# Altium PCB ble_lock_2020-10-10.PcbDoc (part 3 of 5)
Units mm, origin at the board's own origin, x right, y up, seen from the top; angles counter-clockwise.
Board outline 58 x 27 mm, 2 copper layers (Top Layer, Bottom Layer); 590 components, 46 nets, 1844 pads, 2190 vias.
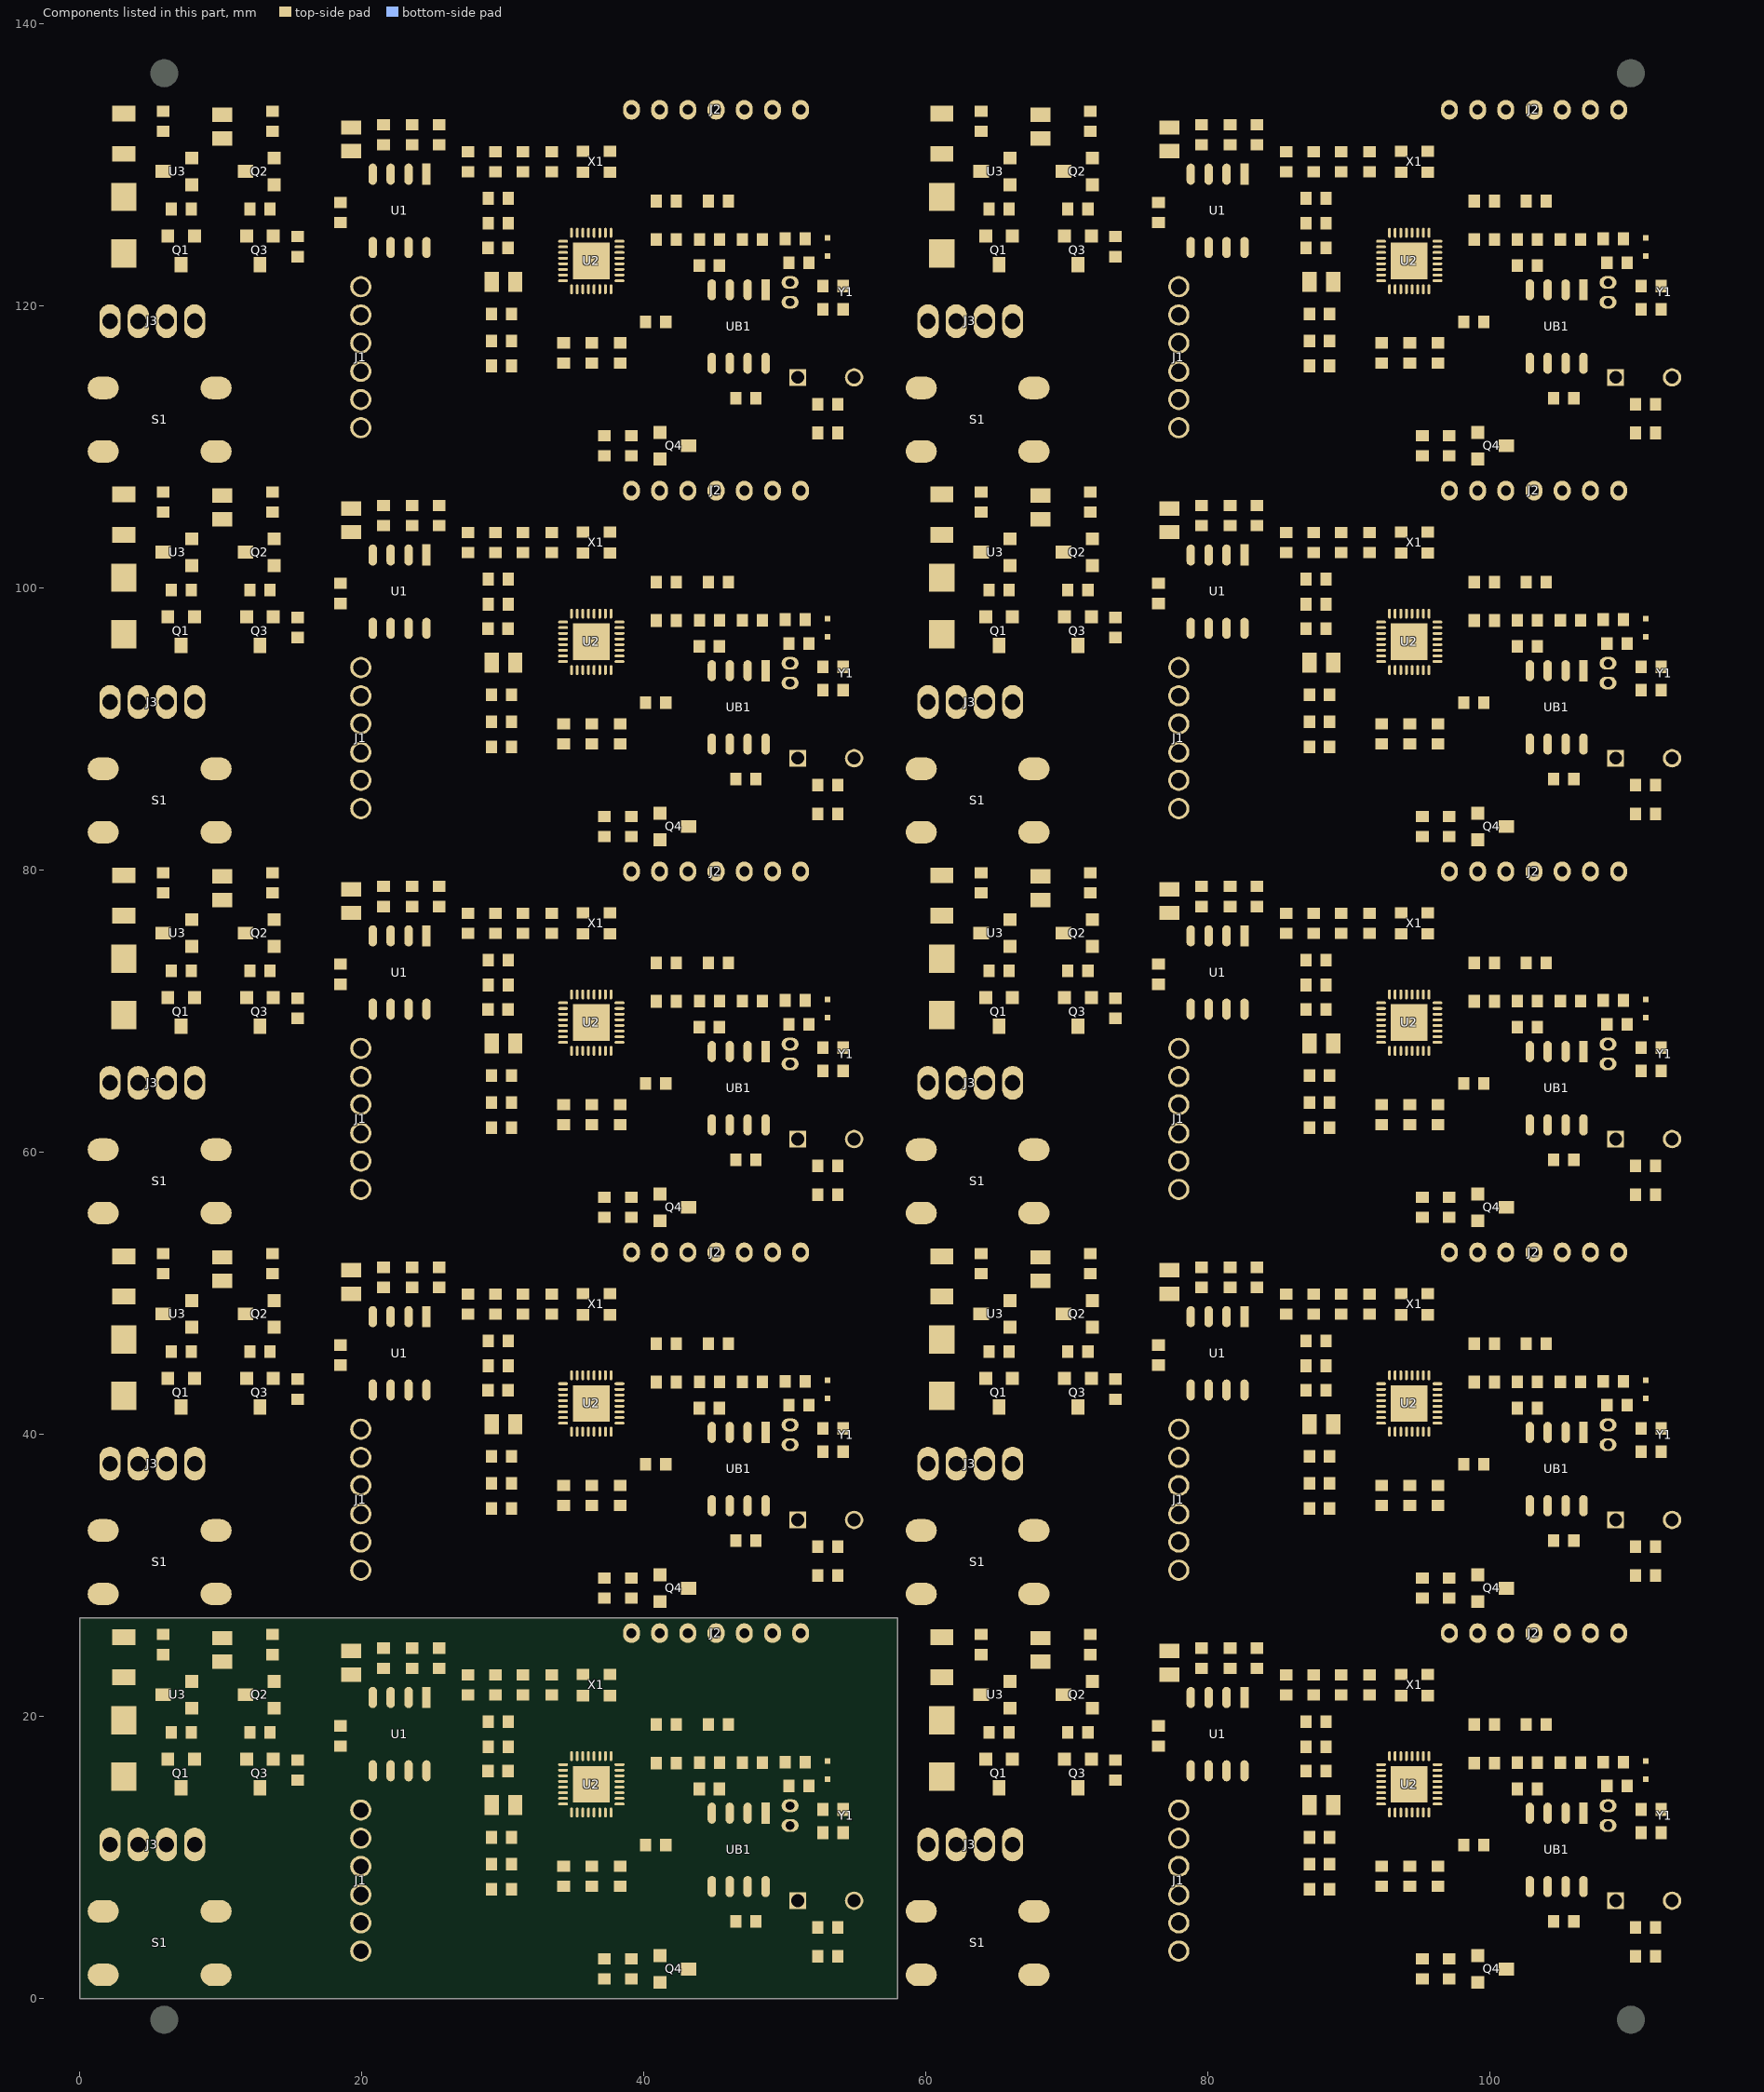
[diagram p3: the components of this part, seen from the top]

## Via types
v1: diameter 0.6, hole 0.4, Top Layer to Bottom Layer, 2190 vias

## Nets (pads, with @x,y where several pads share a name; then routed paths per layer and width w, separated by ;. In a path a pad name is that pad's centre, name@x,y a point inside that pad or via, vN(x,y) a via of type N, cw(c..) or ccw(c..) an arc to the next point about the centre after c; other vN are vias at no path point) (continued)
copper on no net: | length 7965.7
  Top Layer w0.2: 1.676,33.187 9.676,33.187 11.267,33.187 v1(11.303,33.223) ; 1.676,60.187 9.676,60.187 11.267,60.187 v1(11.303,60.223) ; 1.676,87.187 9.676,87.187 11.267,87.187 v1(11.303,87.223) ; 1.676,114.187 9.676,114.187 11.267,114.187 v1(11.303,114.223) ; 7.962,47.589 8.748,47.589 v1(8.763,47.574) ; 7.962,74.589 8.748,74.589 v1(8.763,74.574) ; 7.962,101.589 8.748,101.589 v1(8.763,101.574) ; 7.962,128.589 8.748,128.589 v1(8.763,128.574) ; 8.15,43.967 7.911,44.206 7.911,45.872 9.22,45.872 10.937,47.589 13.804,47.589 13.804,46.9 13.499,46.595 13.499,45.872 ; 8.15,70.967 7.911,71.206 7.911,72.872 9.22,72.872 10.937,74.589 13.804,74.589 13.804,73.9 13.499,73.595 13.499,72.872 ; 8.15,97.967 7.911,98.206 7.911,99.872 9.22,99.872 10.937,101.589 13.804,101.589 13.804,100.9 13.499,100.595 13.499,99.872 ; 8.15,124.967 7.911,125.206 7.911,126.872 9.22,126.872 10.937,128.589 13.804,128.589 13.804,127.9 13.499,127.595 13.499,126.872 ; v1(11.557,43.129) 11.838,43.41 11.838,43.967 ; v1(11.557,70.129) 11.838,70.41 11.838,70.967 ; v1(11.557,97.129) 11.838,97.41 11.838,97.967 ; v1(11.557,124.129) 11.838,124.41 11.838,124.967 ; 13.738,43.967 15.404,43.967 15.455,43.916 15.48,43.891 v1(16.637,43.891) ; 13.738,70.967 15.404,70.967 15.455,70.916 15.48,70.891 v1(16.637,70.891) ; 13.738,97.967 15.404,97.967 15.455,97.916 15.48,97.891 v1(16.637,97.891) ; 13.738,124.967 15.404,124.967 15.455,124.916 15.48,124.891 v1(16.637,124.891) ; 15.455,42.494 16.51,42.494 17.907,43.891 19.685,43.891 19.812,44.018 v1(19.812,45.415) 20.193,45.415 22.059,43.549 22.059,43.145 23.329,43.145 ; 15.455,69.494 16.51,69.494 17.907,70.891 19.685,70.891 19.812,71.018 v1(19.812,72.415) 20.193,72.415 22.059,70.549 22.059,70.145 23.329,70.145 ; 15.455,96.494 16.51,96.494 17.907,97.891 19.685,97.891 19.812,98.018 v1(19.812,99.415) 20.193,99.415 22.059,97.549 22.059,97.145 23.329,97.145 ; 15.455,123.494 16.51,123.494 17.907,124.891 19.685,124.891 19.812,125.018 v1(19.812,126.415) 20.193,126.415 22.059,124.549 22.059,124.145 23.329,124.145 ; 19.265,51.648 19.459,51.841 v1(20.447,51.841) 21.551,51.841 23.583,51.841 25.488,51.841 ; 19.265,78.648 19.459,78.841 v1(20.447,78.841) 21.551,78.841 23.583,78.841 25.488,78.841 ; 19.265,105.648 19.459,105.841 v1(20.447,105.841) 21.551,105.841 23.583,105.841 25.488,105.841 ; 19.265,132.648 19.459,132.841 v1(20.447,132.841) 21.551,132.841 23.583,132.841 25.488,132.841 ; v1(22.01,46.724) 22.059,46.724 22.059,48.345 22.059,49.059 23.419,50.419 23.583,50.419 ; v1(22.01,73.724) 22.059,73.724 22.059,75.345 22.059,76.059 23.419,77.419 23.583,77.419 ; v1(22.01,100.724) 22.059,100.724 22.059,102.345 22.059,103.059 23.419,104.419 23.583,104.419 ; v1(22.01,127.724) 22.059,127.724 22.059,129.345 22.059,130.059 23.419,131.419 23.583,131.419 ; v1(23.28,46.089) 23.329,46.089 23.329,48.345 23.329,48.805 24.13,49.606 25.146,49.606 25.488,49.948 25.488,50.419 ; v1(23.28,73.089) 23.329,73.089 23.329,75.345 23.329,75.805 24.13,76.606 25.146,76.606 25.488,76.948 25.488,77.419 ; v1(23.28,100.089) 23.329,100.089 23.329,102.345 23.329,102.805 24.13,103.606 25.146,103.606 25.488,103.948 25.488,104.419 ; v1(23.28,127.089) 23.329,127.089 23.329,129.345 23.329,129.805 24.13,130.606 25.146,130.606 25.488,130.948 25.488,131.419 ; v1(27.432,53.162) 36.449,53.162 37.655,51.956 42.18,51.956 43.132,52.908 ; v1(27.432,80.162) 36.449,80.162 37.655,78.956 42.18,78.956 43.132,79.908 ; v1(27.432,107.162) 36.449,107.162 37.655,105.956 42.18,105.956 43.132,106.908 ; v1(27.432,134.162) 36.449,134.162 37.655,132.956 42.18,132.956 43.132,133.908 ; 27.552,48.514 29.5,48.514 31.447,48.514 32.387,47.574 35.052,47.574 36.483,46.143 36.483,44.189 ; 27.552,75.514 29.5,75.514 31.447,75.514 32.387,74.574 35.052,74.574 36.483,73.143 36.483,71.189 ; 27.552,102.514 29.5,102.514 31.447,102.514 32.387,101.574 35.052,101.574 36.483,100.143 36.483,98.189 ; 27.552,129.514 29.5,129.514 31.447,129.514 32.387,128.574 35.052,128.574 36.483,127.143 36.483,125.189 ; v1(27.94,43.129) 28.958,43.129 ; v1(27.94,70.129) 28.958,70.129 ; v1(27.94,97.129) 28.958,97.129 ; v1(27.94,124.129) 28.958,124.129 ; v1(29.464,32.969) 36.781,32.969 37.416,33.604 37.416,37.033 36.483,37.966 36.483,40.189 ; v1(29.464,59.969) 36.781,59.969 37.416,60.604 37.416,64.033 36.483,64.966 36.483,67.189 ; v1(29.464,86.969) 36.781,86.969 37.416,87.604 37.416,91.033 36.483,91.966 36.483,94.189 ; v1(29.464,113.969) 36.781,113.969 37.416,114.604 37.416,118.033 36.483,118.966 36.483,121.189 ; v1(30.226,52.4) 36.576,52.4 37.372,51.604 43.828,51.604 45.132,52.908 ; v1(30.226,79.4) 36.576,79.4 37.372,78.604 43.828,78.604 45.132,79.908 ; v1(30.226,106.4) 36.576,106.4 37.372,105.604 43.828,105.604 45.132,106.908 ; v1(30.226,133.4) 36.576,133.4 37.372,132.604 43.828,132.604 45.132,133.908 ; 30.38,43.129 31.955,43.129 32.295,42.789 34.283,42.789 ; 30.38,70.129 31.955,70.129 32.295,69.789 34.283,69.789 ; 30.38,97.129 31.955,97.129 32.295,96.789 34.283,96.789 ; 30.38,124.129 31.955,124.129 32.295,123.789 34.283,123.789 ; 30.39,44.856 31.572,44.856 v1(31.75,45.034) ; 30.39,46.634 32.563,46.634 v1(32.766,46.431) ; 30.39,71.856 31.572,71.856 v1(31.75,72.034) ; 30.39,73.634 32.563,73.634 v1(32.766,73.431) ; 30.39,98.856 31.572,98.856 v1(31.75,99.034) ; 30.39,100.634 32.563,100.634 v1(32.766,100.431) ; 30.39,125.856 31.572,125.856 v1(31.75,126.034) ; 30.39,127.634 32.563,127.634 v1(32.766,127.431) ; 30.634,36.525 31.701,36.525 32.463,37.287 32.463,39.7 33.552,40.789 34.283,40.789 ; 30.634,63.525 31.701,63.525 32.463,64.287 32.463,66.7 33.552,67.789 34.283,67.789 ; 30.634,90.525 31.701,90.525 32.463,91.287 32.463,93.7 33.552,94.789 34.283,94.789 ; 30.634,117.525 31.701,117.525 32.463,118.287 32.463,120.7 33.552,121.789 34.283,121.789 ; 30.888,40.716 32.209,40.716 32.682,41.189 34.283,41.189 ; 30.888,67.716 32.209,67.716 32.682,68.189 34.283,68.189 ; 30.888,94.716 32.209,94.716 32.682,95.189 34.283,95.189 ; 30.888,121.716 32.209,121.716 32.682,122.189 34.283,122.189 ; v1(31.701,42.113) 31.701,41.732 31.844,41.589 32.463,41.589 ; v1(31.701,69.113) 31.701,68.732 31.844,68.589 32.463,68.589 ; v1(31.701,96.113) 31.701,95.732 31.844,95.589 32.463,95.589 ; v1(31.701,123.113) 31.701,122.732 31.844,122.589 32.463,122.589 ; v1(32.385,51.511) 32.893,52.019 36.322,52.019 37.089,51.252 45.969,51.252 47.132,52.415 47.132,52.908 ; v1(32.385,78.511) 32.893,79.019 36.322,79.019 37.089,78.252 45.969,78.252 47.132,79.415 47.132,79.908 ; v1(32.385,105.511) 32.893,106.019 36.322,106.019 37.089,105.252 45.969,105.252 47.132,106.415 47.132,106.908 ; v1(32.385,132.511) 32.893,133.019 36.322,133.019 37.089,132.252 45.969,132.252 47.132,133.415 47.132,133.908 ; v1(32.463,42.113) 32.463,41.589 ; v1(32.463,69.113) 32.463,68.589 ; v1(32.463,96.113) 32.463,95.589 ; v1(32.463,123.113) 32.463,122.589 ; v1(33.225,42.113) 33.225,41.589 ; v1(33.225,69.113) 33.225,68.589 ; v1(33.225,96.113) 33.225,95.589 ; v1(33.225,123.113) 33.225,122.589 ; 33.479,48.514 33.518,48.475 35.704,48.475 35.704,47.762 36.883,46.583 36.883,44.189 ; 33.479,75.514 33.518,75.475 35.704,75.475 35.704,74.762 36.883,73.583 36.883,71.189 ; 33.479,102.514 33.518,102.475 35.704,102.475 35.704,101.762 36.883,100.583 36.883,98.189 ; 33.479,129.514 33.518,129.475 35.704,129.475 35.704,128.762 36.883,127.583 36.883,125.189 ; v1(33.782,46.939) 34.883,45.838 34.883,44.189 ; v1(33.782,73.939) 34.883,72.838 34.883,71.189 ; v1(33.782,100.939) 34.883,99.838 34.883,98.189 ; v1(33.782,127.939) 34.883,126.838 34.883,125.189 ; 34.283,41.589 33.225,41.589 ; 34.283,68.589 33.225,68.589 ; 34.283,95.589 33.225,95.589 ; 34.283,122.589 33.225,122.589 ; 34.327,34.96 34.454,34.96 35.283,35.789 35.283,40.189 ; 34.327,36.382 34.368,36.423 34.368,38.557 34.883,39.072 34.883,40.189 ; 34.327,61.96 34.454,61.96 35.283,62.789 35.283,67.189 ; 34.327,63.382 34.368,63.423 34.368,65.557 34.883,66.072 34.883,67.189 ; 34.327,88.96 34.454,88.96 35.283,89.789 35.283,94.189 ; 34.327,90.382 34.368,90.423 34.368,92.557 34.883,93.072 34.883,94.189 ; 34.327,115.96 34.454,115.96 35.283,116.789 35.283,121.189 ; 34.327,117.382 34.368,117.423 34.368,119.557 34.883,120.072 34.883,121.189 ; v1(35.179,51.384) 35.687,50.876 47.625,50.876 49.132,52.383 49.132,52.908 ; v1(35.179,78.384) 35.687,77.876 47.625,77.876 49.132,79.383 49.132,79.908 ; v1(35.179,105.384) 35.687,104.876 47.625,104.876 49.132,106.383 49.132,106.908 ; v1(35.179,132.384) 35.687,131.876 47.625,131.876 49.132,133.383 49.132,133.908 ; 35.283,44.189 35.283,45.519 v1(35.56,45.796) ; 35.283,71.189 35.283,72.519 v1(35.56,72.796) ; 35.283,98.189 35.283,99.519 v1(35.56,99.796) ; 35.283,125.189 35.283,126.519 v1(35.56,126.796) ; v1(35.56,30.175) 35.56,29.056 36.234,28.382 37.211,28.382 ; v1(35.56,57.175) 35.56,56.056 36.234,55.382 37.211,55.382 ; v1(35.56,84.175) 35.56,83.056 36.234,82.382 37.211,82.382 ; v1(35.56,111.175) 35.56,110.056 36.234,109.382 37.211,109.382 ; 35.683,40.189 35.683,37.877 36.325,37.235 36.325,36.382 ; 35.683,67.189 35.683,64.877 36.325,64.235 36.325,63.382 ; 35.683,94.189 35.683,91.877 36.325,91.235 36.325,90.382 ; 35.683,121.189 35.683,118.877 36.325,118.235 36.325,117.382 ; 35.704,49.975 v1(36.322,49.357) 36.454,49.225 36.781,49.225 v1(37.035,48.971) 37.108,48.971 37.604,48.475 ; 35.704,76.975 v1(36.322,76.357) 36.454,76.225 36.781,76.225 v1(37.035,75.971) 37.108,75.971 37.604,75.475 ; 35.704,103.975 v1(36.322,103.357) 36.454,103.225 36.781,103.225 v1(37.035,102.971) 37.108,102.971 37.604,102.475 ; 35.704,130.975 v1(36.322,130.357) 36.454,130.225 36.781,130.225 v1(37.035,129.971) 37.108,129.971 37.604,129.475 ; v1(36.273,34.112) 36.325,34.164 36.325,34.96 ; v1(36.273,61.112) 36.325,61.164 36.325,61.96 ; v1(36.273,88.112) 36.325,88.164 36.325,88.96 ; v1(36.273,115.112) 36.325,115.164 36.325,115.96 ; 36.883,40.189 36.883,38.582 38.324,37.141 38.324,36.382 v1@39.311,36.382 ; 36.883,67.189 36.883,65.582 38.324,64.141 38.324,63.382 v1@39.311,63.382 ; 36.883,94.189 36.883,92.582 38.324,91.141 38.324,90.382 v1@39.311,90.382 ; 36.883,121.189 36.883,119.582 38.324,118.141 38.324,117.382 v1@39.311,117.382 ; 37.283,44.189 37.283,46.298 38.813,47.828 38.813,48.766 37.604,49.975 ; 37.283,71.189 37.283,73.298 38.813,74.828 38.813,75.766 37.604,76.975 ; 37.283,98.189 37.283,100.298 38.813,101.828 38.813,102.766 37.604,103.975 ; 37.283,125.189 37.283,127.298 38.813,128.828 38.813,129.766 37.604,130.975 ; 37.683,44.189 37.683,45.428 38.686,46.431 40.896,46.431 ; 37.683,71.189 37.683,72.428 38.686,73.431 40.896,73.431 ; 37.683,98.189 37.683,99.428 38.686,100.431 40.896,100.431 ; 37.683,125.189 37.683,126.428 38.686,127.431 40.896,127.431 ; v1(38.1,38.811) 38.198,38.713 41.246,38.713 41.566,38.393 41.566,37.871 42.215,37.871 v1(42.291,37.795) ; v1(38.1,65.811) 38.198,65.713 41.246,65.713 41.566,65.393 41.566,64.871 42.215,64.871 v1(42.291,64.795) ; v1(38.1,92.811) 38.198,92.713 41.246,92.713 41.566,92.393 41.566,91.871 42.215,91.871 v1(42.291,91.795) ; v1(38.1,119.811) 38.198,119.713 41.246,119.713 41.566,119.393 41.566,118.871 42.215,118.871 v1(42.291,118.795) ; 38.283,40.789 38.283,40.279 39.497,39.065 42.76,39.065 46.101,35.724 46.101,34.941 ; 38.283,41.189 39.024,41.189 40.796,39.417 43.278,39.417 v1(43.307,39.446) ; 38.283,41.589 39.132,41.589 40.64,40.081 v1(42.164,40.081) ; 38.283,41.989 39.24,41.989 40.513,40.716 43.307,40.716 v1@43.624,40.398 ; 38.283,42.389 39.475,42.389 40.259,41.605 v1(41.021,41.605) ; 38.283,42.789 39.71,42.789 40.259,42.24 v1(42.037,42.24) ; 38.283,43.189 39.82,43.189 40.009,43 42.803,43 v1(43.22,42.583) 43.944,41.859 ; 38.283,43.589 40.783,43.589 40.896,43.702 ; 38.283,67.789 38.283,67.279 39.497,66.065 42.76,66.065 46.101,62.724 46.101,61.941 ; 38.283,68.189 39.024,68.189 40.796,66.417 43.278,66.417 v1(43.307,66.446) ; 38.283,68.589 39.132,68.589 40.64,67.081 v1(42.164,67.081) ; 38.283,68.989 39.24,68.989 40.513,67.716 43.307,67.716 v1@43.624,67.398 ; 38.283,69.389 39.475,69.389 40.259,68.605 v1(41.021,68.605) ; 38.283,69.789 39.71,69.789 40.259,69.24 v1(42.037,69.24) ; 38.283,70.189 39.82,70.189 40.009,70 42.803,70 v1(43.22,69.583) 43.944,68.859 ; 38.283,70.589 40.783,70.589 40.896,70.702 ; 38.283,94.789 38.283,94.279 39.497,93.065 42.76,93.065 46.101,89.724 46.101,88.941 ; 38.283,95.189 39.024,95.189 40.796,93.417 43.278,93.417 v1(43.307,93.446) ; 38.283,95.589 39.132,95.589 40.64,94.081 v1(42.164,94.081) ; 38.283,95.989 39.24,95.989 40.513,94.716 43.307,94.716 v1@43.624,94.398 ; 38.283,96.389 39.475,96.389 40.259,95.605 v1(41.021,95.605) ; 38.283,96.789 39.71,96.789 40.259,96.24 v1(42.037,96.24) ; 38.283,97.189 39.82,97.189 40.009,97 42.803,97 v1(43.22,96.583) 43.944,95.859 ; 38.283,97.589 40.783,97.589 40.896,97.702 ; 38.283,121.789 38.283,121.279 39.497,120.065 42.76,120.065 46.101,116.724 46.101,115.941 ; 38.283,122.189 39.024,122.189 40.796,120.417 43.278,120.417 v1(43.307,120.446) ; 38.283,122.589 39.132,122.589 40.64,121.081 v1(42.164,121.081) ; 38.283,122.989 39.24,122.989 40.513,121.716 43.307,121.716 v1@43.624,121.398 ; 38.283,123.389 39.475,123.389 40.259,122.605 v1(41.021,122.605) ; 38.283,123.789 39.71,123.789 40.259,123.24 v1(42.037,123.24) ; 38.283,124.189 39.82,124.189 40.009,124 42.803,124 v1(43.22,123.583) 43.944,122.859 ; 38.283,124.589 40.783,124.589 40.896,124.702 ; v1(38.305,34.239) 38.324,34.258 38.324,34.96 ; v1(38.305,61.239) 38.324,61.258 38.324,61.96 ; v1(38.305,88.239) 38.324,88.258 38.324,88.96 ; v1(38.305,115.239) 38.324,115.258 38.324,115.96 ; 39.116,28.382 39.917,28.382 40.156,28.143 41.148,28.143 ; 39.116,55.382 39.917,55.382 40.156,55.143 41.148,55.143 ; 39.116,82.382 39.917,82.382 40.156,82.143 41.148,82.143 ; 39.116,109.382 39.917,109.382 40.156,109.143 41.148,109.143 ; v1(39.321,36.398) 39.878,36.398 40.144,36.664 40.144,37.871 ; v1(39.321,63.398) 39.878,63.398 40.144,63.664 40.144,64.871 ; v1(39.321,90.398) 39.878,90.398 40.144,90.664 40.144,91.871 ; v1(39.321,117.398) 39.878,117.398 40.144,117.664 40.144,118.871 ; 42.318,43.702 43.943,43.702 43.954,43.713 ; 42.318,46.431 v1(42.318,47.142) v1@42.369,47.193 ; 42.318,70.702 43.943,70.702 43.954,70.713 ; 42.318,73.431 v1(42.318,74.142) v1@42.369,74.193 ; 42.318,97.702 43.943,97.702 43.954,97.713 ; 42.318,100.431 v1(42.318,101.142) v1@42.369,101.193 ; 42.318,124.702 43.943,124.702 43.954,124.713 ; 42.318,127.431 v1(42.318,128.142) v1@42.369,128.193 ; v1(43.307,36.652) 44.45,36.652 44.831,36.271 44.831,34.941 ; v1(43.307,63.652) 44.45,63.652 44.831,63.271 44.831,61.941 ; v1(43.307,90.652) 44.45,90.652 44.831,90.271 44.831,88.941 ; v1(43.307,117.652) 44.45,117.652 44.831,117.271 44.831,115.941 ; v1(43.561,40.335) v1@43.624,40.398 ; v1(43.561,67.335) v1@43.624,67.398 ; v1(43.561,94.335) v1@43.624,94.398 ; v1(43.561,121.335) v1@43.624,121.398 ; v1@43.688,40.335 v1@43.624,40.398 ; v1@43.688,67.335 v1@43.624,67.398 ; v1@43.688,94.335 v1@43.624,94.398 ; v1@43.688,121.335 v1@43.624,121.398 ; v1(44.528,47.32) 44.579,47.269 44.579,46.431 ; v1(44.528,74.32) 44.579,74.269 44.579,73.431 ; v1(44.528,101.32) 44.579,101.269 44.579,100.431 ; v1(44.528,128.32) 44.579,128.269 44.579,127.431 ; 44.831,40.141 44.831,40.589 v1(45.366,41.124) 45.366,41.859 v1(46.052,41.859) ; 44.831,67.141 44.831,67.589 v1(45.366,68.124) 45.366,68.859 v1(46.052,68.859) ; 44.831,94.141 44.831,94.589 v1(45.366,95.124) 45.366,95.859 v1(46.052,95.859) ; 44.831,121.141 44.831,121.589 v1(45.366,122.124) 45.366,122.859 v1(46.052,122.859) ; 46.001,46.431 46.001,45.618 45.376,44.993 45.376,43.713 47.002,43.713 ; 46.001,73.431 46.001,72.618 45.376,71.993 45.376,70.713 47.002,70.713 ; 46.001,100.431 46.001,99.618 45.376,98.993 45.376,97.713 47.002,97.713 ; 46.001,127.431 46.001,126.618 45.376,125.993 45.376,124.713 47.002,124.713 ; 48.424,43.713 49.989,43.713 50.04,43.764 50.04,42.326 50.304,42.062 ; 48.424,70.713 49.989,70.713 50.04,70.764 50.04,69.326 50.304,69.062 ; 48.424,97.713 49.989,97.713 50.04,97.764 50.04,96.326 50.304,96.062 ; 48.424,124.713 49.989,124.713 50.04,124.764 50.04,123.326 50.304,123.062 ; 51.462,43.764 52.971,43.764 53.047,43.84 ; 51.462,70.764 52.971,70.764 53.047,70.84 ; 51.462,97.764 52.971,97.764 53.047,97.84 ; 51.462,124.764 52.971,124.764 53.047,124.84 ; v1(52.31,41.478) 51.726,42.062 52.204,42.54 53.047,42.54 ; v1(52.31,68.478) 51.726,69.062 52.204,69.54 53.047,69.54 ; v1(52.31,95.478) 51.726,96.062 52.204,96.54 53.047,96.54 ; v1(52.31,122.478) 51.726,123.062 52.204,123.54 53.047,123.54 ; 59.676,6.187 67.676,6.187 69.267,6.187 v1(69.303,6.223) ; 59.676,33.187 67.676,33.187 69.267,33.187 v1(69.303,33.223) ; 59.676,60.187 67.676,60.187 69.267,60.187 v1(69.303,60.223) ; 59.676,87.187 67.676,87.187 69.267,87.187 v1(69.303,87.223) ; 59.676,114.187 67.676,114.187 69.267,114.187 v1(69.303,114.223) ; 65.962,20.589 66.748,20.589 v1(66.763,20.574) ; 65.962,47.589 66.748,47.589 v1(66.763,47.574) ; 65.962,74.589 66.748,74.589 v1(66.763,74.574) ; 65.962,101.589 66.748,101.589 v1(66.763,101.574) ; 65.962,128.589 66.748,128.589 v1(66.763,128.574) ; 66.15,16.967 65.911,17.206 65.911,18.872 67.22,18.872 68.937,20.589 71.804,20.589 71.804,19.9 71.499,19.595 71.499,18.872 ; 66.15,43.967 65.911,44.206 65.911,45.872 67.22,45.872 68.937,47.589 71.804,47.589 71.804,46.9 71.499,46.595 71.499,45.872 ; 66.15,70.967 65.911,71.206 65.911,72.872 67.22,72.872 68.937,74.589 71.804,74.589 71.804,73.9 71.499,73.595 71.499,72.872 ; 66.15,97.967 65.911,98.206 65.911,99.872 67.22,99.872 68.937,101.589 71.804,101.589 71.804,100.9 71.499,100.595 71.499,99.872 ; 66.15,124.967 65.911,125.206 65.911,126.872 67.22,126.872 68.937,128.589 71.804,128.589 71.804,127.9 71.499,127.595 71.499,126.872 ; v1(69.557,16.129) 69.838,16.41 69.838,16.967 ; v1(69.557,43.129) 69.838,43.41 69.838,43.967 ; v1(69.557,70.129) 69.838,70.41 69.838,70.967 ; v1(69.557,97.129) 69.838,97.41 69.838,97.967 ; v1(69.557,124.129) 69.838,124.41 69.838,124.967 ; 71.738,16.967 73.404,16.967 73.455,16.916 73.48,16.891 v1(74.637,16.891) ; 71.738,43.967 73.404,43.967 73.455,43.916 73.48,43.891 v1(74.637,43.891) ; 71.738,70.967 73.404,70.967 73.455,70.916 73.48,70.891 v1(74.637,70.891) ; 71.738,97.967 73.404,97.967 73.455,97.916 73.48,97.891 v1(74.637,97.891) ; 71.738,124.967 73.404,124.967 73.455,124.916 73.48,124.891 v1(74.637,124.891) ; 73.455,15.494 74.51,15.494 75.907,16.891 77.685,16.891 77.812,17.018 v1(77.812,18.415) 78.193,18.415 80.059,16.549 80.059,16.145 81.329,16.145 ; 73.455,42.494 74.51,42.494 75.907,43.891 77.685,43.891 77.812,44.018 v1(77.812,45.415) 78.193,45.415 80.059,43.549 80.059,43.145 81.329,43.145 ; 73.455,69.494 74.51,69.494 75.907,70.891 77.685,70.891 77.812,71.018 v1(77.812,72.415) 78.193,72.415 80.059,70.549 80.059,70.145 81.329,70.145 ; 73.455,96.494 74.51,96.494 75.907,97.891 77.685,97.891 77.812,98.018 v1(77.812,99.415) 78.193,99.415 80.059,97.549 80.059,97.145 81.329,97.145 ; 73.455,123.494 74.51,123.494 75.907,124.891 77.685,124.891 77.812,125.018 v1(77.812,126.415) 78.193,126.415 80.059,124.549 80.059,124.145 81.329,124.145 ; 77.265,24.648 77.459,24.841 v1(78.447,24.841) 79.551,24.841 81.583,24.841 83.488,24.841 ; 77.265,51.648 77.459,51.841 v1(78.447,51.841) 79.551,51.841 81.583,51.841 83.488,51.841 ; 77.265,78.648 77.459,78.841 v1(78.447,78.841) 79.551,78.841 81.583,78.841 83.488,78.841 ; 77.265,105.648 77.459,105.841 v1(78.447,105.841) 79.551,105.841 81.583,105.841 83.488,105.841 ; 77.265,132.648 77.459,132.841 v1(78.447,132.841) 79.551,132.841 81.583,132.841 83.488,132.841 ; v1(80.01,19.724) 80.059,19.724 80.059,21.345 80.059,22.059 81.419,23.419 81.583,23.419 ; v1(80.01,46.724) 80.059,46.724 80.059,48.345 80.059,49.059 81.419,50.419 81.583,50.419 ; v1(80.01,73.724) 80.059,73.724 80.059,75.345 80.059,76.059 81.419,77.419 81.583,77.419 ; v1(80.01,100.724) 80.059,100.724 80.059,102.345 80.059,103.059 81.419,104.419 81.583,104.419 ; v1(80.01,127.724) 80.059,127.724 80.059,129.345 80.059,130.059 81.419,131.419 81.583,131.419 ; v1(81.28,19.089) 81.329,19.089 81.329,21.345 81.329,21.805 82.13,22.606 83.146,22.606 83.488,22.948 83.488,23.419 ; v1(81.28,46.089) 81.329,46.089 81.329,48.345 81.329,48.805 82.13,49.606 83.146,49.606 83.488,49.948 83.488,50.419 ; v1(81.28,73.089) 81.329,73.089 81.329,75.345 81.329,75.805 82.13,76.606 83.146,76.606 83.488,76.948 83.488,77.419 ; v1(81.28,100.089) 81.329,100.089 81.329,102.345 81.329,102.805 82.13,103.606 83.146,103.606 83.488,103.948 83.488,104.419 ; v1(81.28,127.089) 81.329,127.089 81.329,129.345 81.329,129.805 82.13,130.606 83.146,130.606 83.488,130.948 83.488,131.419 ; v1(85.432,26.162) 94.449,26.162 95.655,24.956 100.18,24.956 101.132,25.908 ; v1(85.432,53.162) 94.449,53.162 95.655,51.956 100.18,51.956 101.132,52.908 ; v1(85.432,80.162) 94.449,80.162 95.655,78.956 100.18,78.956 101.132,79.908 ; v1(85.432,107.162) 94.449,107.162 95.655,105.956 100.18,105.956 101.132,106.908 ; v1(85.432,134.162) 94.449,134.162 95.655,132.956 100.18,132.956 101.132,133.908 ; 85.552,21.514 87.5,21.514 89.447,21.514 90.387,20.574 93.052,20.574 94.483,19.143 94.483,17.189 ; 85.552,48.514 87.5,48.514 89.447,48.514 90.387,47.574 93.052,47.574 94.483,46.143 94.483,44.189 ; 85.552,75.514 87.5,75.514 89.447,75.514 90.387,74.574 93.052,74.574 94.483,73.143 94.483,71.189 ; 85.552,102.514 87.5,102.514 89.447,102.514 90.387,101.574 93.052,101.574 94.483,100.143 94.483,98.189 ; 85.552,129.514 87.5,129.514 89.447,129.514 90.387,128.574 93.052,128.574 94.483,127.143 94.483,125.189 ; v1(85.94,16.129) 86.958,16.129 ; v1(85.94,43.129) 86.958,43.129 ; v1(85.94,70.129) 86.958,70.129 ; v1(85.94,97.129) 86.958,97.129 ; v1(85.94,124.129) 86.958,124.129 ; v1(87.464,5.969) 94.781,5.969 95.416,6.604 95.416,10.033 94.483,10.966 94.483,13.189 ; v1(87.464,32.969) 94.781,32.969 95.416,33.604 95.416,37.033 94.483,37.966 94.483,40.189 ; v1(87.464,59.969) 94.781,59.969 95.416,60.604 95.416,64.033 94.483,64.966 94.483,67.189 ; v1(87.464,86.969) 94.781,86.969 95.416,87.604 95.416,91.033 94.483,91.966 94.483,94.189 ; v1(87.464,113.969) 94.781,113.969 95.416,114.604 95.416,118.033 94.483,118.966 94.483,121.189 ; v1(88.226,25.4) 94.576,25.4 95.372,24.604 101.828,24.604 103.132,25.908 ; v1(88.226,52.4) 94.576,52.4 95.372,51.604 101.828,51.604 103.132,52.908 ; v1(88.226,79.4) 94.576,79.4 95.372,78.604 101.828,78.604 103.132,79.908 ; v1(88.226,106.4) 94.576,106.4 95.372,105.604 101.828,105.604 103.132,106.908 ; v1(88.226,133.4) 94.576,133.4 95.372,132.604 101.828,132.604 103.132,133.908 ; 88.38,16.129 89.955,16.129 90.295,15.789 92.283,15.789 ; 88.38,43.129 89.955,43.129 90.295,42.789 92.283,42.789 ; 88.38,70.129 89.955,70.129 90.295,69.789 92.283,69.789 ; 88.38,97.129 89.955,97.129 90.295,96.789 92.283,96.789 ; 88.38,124.129 89.955,124.129 90.295,123.789 92.283,123.789 ; 88.39,17.856 89.572,17.856 v1(89.75,18.034) ; 88.39,19.634 90.563,19.634 v1(90.766,19.431) ; 88.39,44.856 89.572,44.856 v1(89.75,45.034) ; 88.39,46.634 90.563,46.634 v1(90.766,46.431) ; 88.39,71.856 89.572,71.856 v1(89.75,72.034) ; 88.39,73.634 90.563,73.634 v1(90.766,73.431) ; 88.39,98.856 89.572,98.856 v1(89.75,99.034) ; 88.39,100.634 90.563,100.634 v1(90.766,100.431) ; 88.39,125.856 89.572,125.856 v1(89.75,126.034) ; 88.39,127.634 90.563,127.634 v1(90.766,127.431) ; 88.634,9.525 89.701,9.525 90.463,10.287 90.463,12.7 91.552,13.789 92.283,13.789 ; 88.634,36.525 89.701,36.525 90.463,37.287 90.463,39.7 91.552,40.789 92.283,40.789 ; 88.634,63.525 89.701,63.525 90.463,64.287 90.463,66.7 91.552,67.789 92.283,67.789 ; 88.634,90.525 89.701,90.525 90.463,91.287 90.463,93.7 91.552,94.789 92.283,94.789 ; 88.634,117.525 89.701,117.525 90.463,118.287 90.463,120.7 91.552,121.789 92.283,121.789 ; 88.888,13.716 90.209,13.716 90.682,14.189 92.283,14.189 ; 88.888,40.716 90.209,40.716 90.682,41.189 92.283,41.189 ; 88.888,67.716 90.209,67.716 90.682,68.189 92.283,68.189 ; 88.888,94.716 90.209,94.716 90.682,95.189 92.283,95.189 ; 88.888,121.716 90.209,121.716 90.682,122.189 92.283,122.189 ; v1(89.701,15.113) 89.701,14.732 89.844,14.589 90.463,14.589 ; v1(89.701,42.113) 89.701,41.732 89.844,41.589 90.463,41.589 ; v1(89.701,69.113) 89.701,68.732 89.844,68.589 90.463,68.589 ; v1(89.701,96.113) 89.701,95.732 89.844,95.589 90.463,95.589 ; v1(89.701,123.113) 89.701,122.732 89.844,122.589 90.463,122.589 ; v1(90.385,24.511) 90.893,25.019 94.322,25.019 95.089,24.252 103.969,24.252 105.132,25.415 105.132,25.908 ; v1(90.385,51.511) 90.893,52.019 94.322,52.019 95.089,51.252 103.969,51.252 105.132,52.415 105.132,52.908 ; v1(90.385,78.511) 90.893,79.019 94.322,79.019 95.089,78.252 103.969,78.252 105.132,79.415 105.132,79.908 ; v1(90.385,105.511) 90.893,106.019 94.322,106.019 95.089,105.252 103.969,105.252 105.132,106.415 105.132,106.908 ; v1(90.385,132.511) 90.893,133.019 94.322,133.019 95.089,132.252 103.969,132.252 105.132,133.415 105.132,133.908 ; v1(90.463,15.113) 90.463,14.589 ; v1(90.463,42.113) 90.463,41.589 ; v1(90.463,69.113) 90.463,68.589 ; v1(90.463,96.113) 90.463,95.589 ; v1(90.463,123.113) 90.463,122.589 ; v1(91.225,15.113) 91.225,14.589 ; v1(91.225,42.113) 91.225,41.589 ; v1(91.225,69.113) 91.225,68.589 ; v1(91.225,96.113) 91.225,95.589 ; v1(91.225,123.113) 91.225,122.589 ; 91.479,21.514 91.518,21.475 93.704,21.475 93.704,20.762 94.883,19.583 94.883,17.189 ; 91.479,48.514 91.518,48.475 93.704,48.475 93.704,47.762 94.883,46.583 94.883,44.189 ; 91.479,75.514 91.518,75.475 93.704,75.475 93.704,74.762 94.883,73.583 94.883,71.189 ; 91.479,102.514 91.518,102.475 93.704,102.475 93.704,101.762 94.883,100.583 94.883,98.189 ; 91.479,129.514 91.518,129.475 93.704,129.475 93.704,128.762 94.883,127.583 94.883,125.189 ; v1(91.782,19.939) 92.883,18.838 92.883,17.189 ; v1(91.782,46.939) 92.883,45.838 92.883,44.189 ; v1(91.782,73.939) 92.883,72.838 92.883,71.189 ; v1(91.782,100.939) 92.883,99.838 92.883,98.189 ; v1(91.782,127.939) 92.883,126.838 92.883,125.189 ; 92.283,14.589 91.225,14.589 ; 92.283,41.589 91.225,41.589 ; 92.283,68.589 91.225,68.589 ; 92.283,95.589 91.225,95.589 ; 92.283,122.589 91.225,122.589 ; 92.327,7.96 92.454,7.96 93.283,8.789 93.283,13.189 ; 92.327,9.382 92.368,9.423 92.368,11.557 92.883,12.072 92.883,13.189 ; 92.327,34.96 92.454,34.96 93.283,35.789 93.283,40.189 ; 92.327,36.382 92.368,36.423 92.368,38.557 92.883,39.072 92.883,40.189 ; 92.327,61.96 92.454,61.96 93.283,62.789 93.283,67.189 ; 92.327,63.382 92.368,63.423 92.368,65.557 92.883,66.072 92.883,67.189 ; 92.327,88.96 92.454,88.96 93.283,89.789 93.283,94.189 ; 92.327,90.382 92.368,90.423 92.368,92.557 92.883,93.072 92.883,94.189 ; 92.327,115.96 92.454,115.96 93.283,116.789 93.283,121.189 ; 92.327,117.382 92.368,117.423 92.368,119.557 92.883,120.072 92.883,121.189 ; v1(93.179,24.384) 93.687,23.876 105.625,23.876 107.132,25.383 107.132,25.908 ; v1(93.179,51.384) 93.687,50.876 105.625,50.876 107.132,52.383 107.132,52.908 ; v1(93.179,78.384) 93.687,77.876 105.625,77.876 107.132,79.383 107.132,79.908 ; v1(93.179,105.384) 93.687,104.876 105.625,104.876 107.132,106.383 107.132,106.908 ; v1(93.179,132.384) 93.687,131.876 105.625,131.876 107.132,133.383 107.132,133.908 ; 93.283,17.189 93.283,18.519 v1(93.56,18.796) ; 93.283,44.189 93.283,45.519 v1(93.56,45.796) ; 93.283,71.189 93.283,72.519 v1(93.56,72.796) ; 93.283,98.189 93.283,99.519 v1(93.56,99.796) ; 93.283,125.189 93.283,126.519 v1(93.56,126.796) ; v1(93.56,3.175) 93.56,2.056 94.234,1.382 95.211,1.382 ; v1(93.56,30.175) 93.56,29.056 94.234,28.382 95.211,28.382 ; v1(93.56,57.175) 93.56,56.056 94.234,55.382 95.211,55.382 ; v1(93.56,84.175) 93.56,83.056 94.234,82.382 95.211,82.382 ; v1(93.56,111.175) 93.56,110.056 94.234,109.382 95.211,109.382 ; 93.683,13.189 93.683,10.877 94.325,10.235 94.325,9.382 ; 93.683,40.189 93.683,37.877 94.325,37.235 94.325,36.382 ; 93.683,67.189 93.683,64.877 94.325,64.235 94.325,63.382 ; 93.683,94.189 93.683,91.877 94.325,91.235 94.325,90.382 ; 93.683,121.189 93.683,118.877 94.325,118.235 94.325,117.382 ; 93.704,22.975 v1(94.322,22.357) 94.454,22.225 94.781,22.225 v1(95.035,21.971) 95.108,21.971 95.604,21.475 ; 93.704,49.975 v1(94.322,49.357) 94.454,49.225 94.781,49.225 v1(95.035,48.971) 95.108,48.971 95.604,48.475 ; 93.704,76.975 v1(94.322,76.357) 94.454,76.225 94.781,76.225 v1(95.035,75.971) 95.108,75.971 95.604,75.475 ; 93.704,103.975 v1(94.322,103.357) 94.454,103.225 94.781,103.225 v1(95.035,102.971) 95.108,102.971 95.604,102.475 ; 93.704,130.975 v1(94.322,130.357) 94.454,130.225 94.781,130.225 v1(95.035,129.971) 95.108,129.971 95.604,129.475 ; v1(94.273,7.112) 94.325,7.164 94.325,7.96 ; v1(94.273,34.112) 94.325,34.164 94.325,34.96 ; v1(94.273,61.112) 94.325,61.164 94.325,61.96 ; v1(94.273,88.112) 94.325,88.164 94.325,88.96 ; v1(94.273,115.112) 94.325,115.164 94.325,115.96 ; 94.883,13.189 94.883,11.582 96.324,10.141 96.324,9.382 v1@97.311,9.382 ; 94.883,40.189 94.883,38.582 96.324,37.141 96.324,36.382 v1@97.311,36.382 ; 94.883,67.189 94.883,65.582 96.324,64.141 96.324,63.382 v1@97.311,63.382 ; 94.883,94.189 94.883,92.582 96.324,91.141 96.324,90.382 v1@97.311,90.382 ; 94.883,121.189 94.883,119.582 96.324,118.141 96.324,117.382 v1@97.311,117.382 ; 95.283,17.189 95.283,19.298 96.813,20.828 96.813,21.766 95.604,22.975 ; 95.283,44.189 95.283,46.298 96.813,47.828 96.813,48.766 95.604,49.975 ; 95.283,71.189 95.283,73.298 96.813,74.828 96.813,75.766 95.604,76.975 ; 95.283,98.189 95.283,100.298 96.813,101.828 96.813,102.766 95.604,103.975 ; 95.283,125.189 95.283,127.298 96.813,128.828 96.813,129.766 95.604,130.975 ; 95.683,17.189 95.683,18.428 96.686,19.431 98.896,19.431 ; 95.683,44.189 95.683,45.428 96.686,46.431 98.896,46.431 ; 95.683,71.189 95.683,72.428 96.686,73.431 98.896,73.431 ; 95.683,98.189 95.683,99.428 96.686,100.431 98.896,100.431 ; 95.683,125.189 95.683,126.428 96.686,127.431 98.896,127.431 ; v1(96.1,11.811) 96.198,11.713 99.246,11.713 99.566,11.393 99.566,10.871 100.215,10.871 v1(100.291,10.795) ; v1(96.1,38.811) 96.198,38.713 99.246,38.713 99.566,38.393 99.566,37.871 100.215,37.871 v1(100.291,37.795) ; v1(96.1,65.811) 96.198,65.713 99.246,65.713 99.566,65.393 99.566,64.871 100.215,64.871 v1(100.291,64.795) ; v1(96.1,92.811) 96.198,92.713 99.246,92.713 99.566,92.393 99.566,91.871 100.215,91.871 v1(100.291,91.795) ; v1(96.1,119.811) 96.198,119.713 99.246,119.713 99.566,119.393 99.566,118.871 100.215,118.871 v1(100.291,118.795) ; 96.283,13.789 96.283,13.279 97.497,12.065 100.76,12.065 104.101,8.724 104.101,7.941 ; 96.283,14.189 97.024,14.189 98.796,12.417 101.278,12.417 v1(101.307,12.446) ; 96.283,14.589 97.132,14.589 98.64,13.081 v1(100.164,13.081) ; 96.283,14.989 97.24,14.989 98.513,13.716 101.307,13.716 v1@101.625,13.399 ; 96.283,15.389 97.475,15.389 98.259,14.605 v1(99.021,14.605) ; 96.283,15.789 97.71,15.789 98.259,15.24 v1(100.037,15.24) ; 96.283,16.189 97.82,16.189 98.009,16 100.803,16 v1(101.22,15.583) 101.944,14.859 ; 96.283,16.589 98.783,16.589 98.896,16.702 ; 96.283,40.789 96.283,40.279 97.497,39.065 100.76,39.065 104.101,35.724 104.101,34.941 ; 96.283,41.189 97.024,41.189 98.796,39.417 101.278,39.417 v1(101.307,39.446) ; 96.283,41.589 97.132,41.589 98.64,40.081 v1(100.164,40.081) ; 96.283,41.989 97.24,41.989 98.513,40.716 101.307,40.716 v1@101.625,40.398 ; 96.283,42.389 97.475,42.389 98.259,41.605 v1(99.021,41.605) ; 96.283,42.789 97.71,42.789 98.259,42.24 v1(100.037,42.24) ; 96.283,43.189 97.82,43.189 98.009,43 100.803,43 v1(101.22,42.583) 101.944,41.859 ; 96.283,43.589 98.783,43.589 98.896,43.702 ; 96.283,67.789 96.283,67.279 97.497,66.065 100.76,66.065 104.101,62.724 104.101,61.941 ; 96.283,68.189 97.024,68.189 98.796,66.417 101.278,66.417 v1(101.307,66.446) ; 96.283,68.589 97.132,68.589 98.64,67.081 v1(100.164,67.081) ; 96.283,68.989 97.24,68.989 98.513,67.716 101.307,67.716 v1@101.625,67.398 ; 96.283,69.389 97.475,69.389 98.259,68.605 v1(99.021,68.605) ; 96.283,69.789 97.71,69.789 98.259,69.24 v1(100.037,69.24) ; 96.283,70.189 97.82,70.189 98.009,70 100.803,70 v1(101.22,69.583) 101.944,68.859 ; 96.283,70.589 98.783,70.589 98.896,70.702 ; 96.283,94.789 96.283,94.279 97.497,93.065 100.76,93.065 104.101,89.724 104.101,88.941 ; 96.283,95.189 97.024,95.189 98.796,93.417 101.278,93.417 v1(101.307,93.446) ; 96.283,95.589 97.132,95.589 98.64,94.081 v1(100.164,94.081) ; 96.283,95.989 97.24,95.989 98.513,94.716 101.307,94.716 v1@101.625,94.398 ; 96.283,96.389 97.475,96.389 98.259,95.605 v1(99.021,95.605) ; 96.283,96.789 97.71,96.789 98.259,96.24 v1(100.037,96.24) ; 96.283,97.189 97.82,97.189 98.009,97 100.803,97 v1(101.22,96.583) 101.944,95.859 ; 96.283,97.589 98.783,97.589 98.896,97.702 ; 96.283,121.789 96.283,121.279 97.497,120.065 100.76,120.065 104.101,116.724 104.101,115.941 ; 96.283,122.189 97.024,122.189 98.796,120.417 101.278,120.417 v1(101.307,120.446) ; 96.283,122.589 97.132,122.589 98.64,121.081 v1(100.164,121.081) ; 96.283,122.989 97.24,122.989 98.513,121.716 101.307,121.716 v1@101.625,121.398 ; 96.283,123.389 97.475,123.389 98.259,122.605 v1(99.021,122.605) ; 96.283,123.789 97.71,123.789 98.259,123.24 v1(100.037,123.24) ; 96.283,124.189 97.82,124.189 98.009,124 100.803,124 v1(101.22,123.583) 101.944,122.859 ; 96.283,124.589 98.783,124.589 98.896,124.702 ; v1(96.305,7.239) 96.324,7.258 96.324,7.96 ; v1(96.305,34.239) 96.324,34.258 96.324,34.96 ; v1(96.305,61.239) 96.324,61.258 96.324,61.96 ; v1(96.305,88.239) 96.324,88.258 96.324,88.96 ; v1(96.305,115.239) 96.324,115.258 96.324,115.96 ; 97.116,1.382 97.917,1.382 98.156,1.143 99.148,1.143 ; 97.116,28.382 97.917,28.382 98.156,28.143 99.148,28.143 ; 97.116,55.382 97.917,55.382 98.156,55.143 99.148,55.143 ; 97.116,82.382 97.917,82.382 98.156,82.143 99.148,82.143 ; 97.116,109.382 97.917,109.382 98.156,109.143 99.148,109.143 ; v1(97.321,9.398) 97.878,9.398 98.144,9.664 98.144,10.871 ; v1(97.321,36.398) 97.878,36.398 98.144,36.664 98.144,37.871 ; v1(97.321,63.398) 97.878,63.398 98.144,63.664 98.144,64.871 ; v1(97.321,90.398) 97.878,90.398 98.144,90.664 98.144,91.871 ; v1(97.321,117.398) 97.878,117.398 98.144,117.664 98.144,118.871 ; 100.318,16.702 101.943,16.702 101.954,16.713 ; 100.318,19.431 v1(100.318,20.142) v1@100.369,20.193 ; 100.318,43.702 101.943,43.702 101.954,43.713 ; 100.318,46.431 v1(100.318,47.142) v1@100.369,47.193 ; 100.318,70.702 101.943,70.702 101.954,70.713 ; 100.318,73.431 v1(100.318,74.142) v1@100.369,74.193 ; 100.318,97.702 101.943,97.702 101.954,97.713 ; 100.318,100.431 v1(100.318,101.142) v1@100.369,101.193 ; 100.318,124.702 101.943,124.702 101.954,124.713 ; 100.318,127.431 v1(100.318,128.142) v1@100.369,128.193 ; v1(101.307,9.652) 102.45,9.652 102.831,9.271 102.831,7.941 ; v1(101.307,36.652) 102.45,36.652 102.831,36.271 102.831,34.941 ; v1(101.307,63.652) 102.45,63.652 102.831,63.271 102.831,61.941 ; v1(101.307,90.652) 102.45,90.652 102.831,90.271 102.831,88.941 ; v1(101.307,117.652) 102.45,117.652 102.831,117.271 102.831,115.941 ; v1(101.561,13.335) v1@101.625,13.399 ; v1(101.561,40.335) v1@101.625,40.398 ; v1(101.561,67.335) v1@101.625,67.398 ; v1(101.561,94.335) v1@101.625,94.398 ; v1(101.561,121.335) v1@101.625,121.398 ; v1@101.688,13.335 v1@101.625,13.399 ; v1@101.688,40.335 v1@101.625,40.398 ; v1@101.688,67.335 v1@101.625,67.398 ; v1@101.688,94.335 v1@101.625,94.398 ; v1@101.688,121.335 v1@101.625,121.398 ; v1(102.528,20.32) 102.579,20.269 102.579,19.431 ; v1(102.528,47.32) 102.579,47.269 102.579,46.431 ; v1(102.528,74.32) 102.579,74.269 102.579,73.431 ; v1(102.528,101.32) 102.579,101.269 102.579,100.431 ; v1(102.528,128.32) 102.579,128.269 102.579,127.431 ; 102.831,13.141 102.831,13.589 v1(103.366,14.124) 103.366,14.859 v1(104.052,14.859) ; 102.831,40.141 102.831,40.589 v1(103.366,41.124) 103.366,41.859 v1(104.052,41.859) ; 102.831,67.141 102.831,67.589 v1(103.366,68.124) 103.366,68.859 v1(104.052,68.859) ; 102.831,94.141 102.831,94.589 v1(103.366,95.124) 103.366,95.859 v1(104.052,95.859) ; 102.831,121.141 102.831,121.589 v1(103.366,122.124) 103.366,122.859 v1(104.052,122.859) ; 104.001,19.431 104.001,18.618 103.376,17.993 103.376,16.713 105.002,16.713 ; 104.001,46.431 104.001,45.618 103.376,44.993 103.376,43.713 105.002,43.713 ; 104.001,73.431 104.001,72.618 103.376,71.993 103.376,70.713 105.002,70.713 ; 104.001,100.431 104.001,99.618 103.376,98.993 103.376,97.713 105.002,97.713 ; 104.001,127.431 104.001,126.618 103.376,125.993 103.376,124.713 105.002,124.713 ; 106.424,16.713 107.989,16.713 108.04,16.764 108.04,15.326 108.304,15.062 ; 106.424,43.713 107.989,43.713 108.04,43.764 108.04,42.326 108.304,42.062 ; 106.424,70.713 107.989,70.713 108.04,70.764 108.04,69.326 108.304,69.062 ; 106.424,97.713 107.989,97.713 108.04,97.764 108.04,96.326 108.304,96.062 ; 106.424,124.713 107.989,124.713 108.04,124.764 108.04,123.326 108.304,123.062 ; 109.462,16.764 110.971,16.764 111.047,16.84 ; 109.462,43.764 110.971,43.764 111.047,43.84 ; 109.462,70.764 110.971,70.764 111.047,70.84 ; 109.462,97.764 110.971,97.764 111.047,97.84 ; 109.462,124.764 110.971,124.764 111.047,124.84 ; v1(110.31,14.478) 109.726,15.062 110.204,15.54 111.047,15.54 ; v1(110.31,41.478) 109.726,42.062 110.204,42.54 111.047,42.54 ; v1(110.31,68.478) 109.726,69.062 110.204,69.54 111.047,69.54 ; v1(110.31,95.478) 109.726,96.062 110.204,96.54 111.047,96.54 ; v1(110.31,122.478) 109.726,123.062 110.204,123.54 111.047,123.54 ; 32.463,41.589 33.225,41.589 ; 32.463,68.589 33.225,68.589 ; 32.463,95.589 33.225,95.589 ; 32.463,122.589 33.225,122.589 ; 90.463,14.589 91.225,14.589 ; 90.463,41.589 91.225,41.589 ; 90.463,68.589 91.225,68.589 ; 90.463,95.589 91.225,95.589 ; 90.463,122.589 91.225,122.589
  Top Layer w0.3: 12.077,45.872 10.871,45.872 10.16,45.161 10.16,42.875 11.1,41.935 12.788,41.935 ; 12.077,72.872 10.871,72.872 10.16,72.161 10.16,69.875 11.1,68.935 12.788,68.935 ; 12.077,99.872 10.871,99.872 10.16,99.161 10.16,96.875 11.1,95.935 12.788,95.935 ; 12.077,126.872 10.871,126.872 10.16,126.161 10.16,123.875 11.1,122.935 12.788,122.935 ; 70.077,18.872 68.871,18.872 68.16,18.161 68.16,15.875 69.1,14.935 70.788,14.935 ; 70.077,45.872 68.871,45.872 68.16,45.161 68.16,42.875 69.1,41.935 70.788,41.935 ; 70.077,72.872 68.871,72.872 68.16,72.161 68.16,69.875 69.1,68.935 70.788,68.935 ; 70.077,99.872 68.871,99.872 68.16,99.161 68.16,96.875 69.1,95.935 70.788,95.935 ; 70.077,126.872 68.871,126.872 68.16,126.161 68.16,123.875 69.1,122.935 70.788,122.935